# Altium PCB XMOS_TSBOARD.PcbDoc (part 2 of 3) (continued)
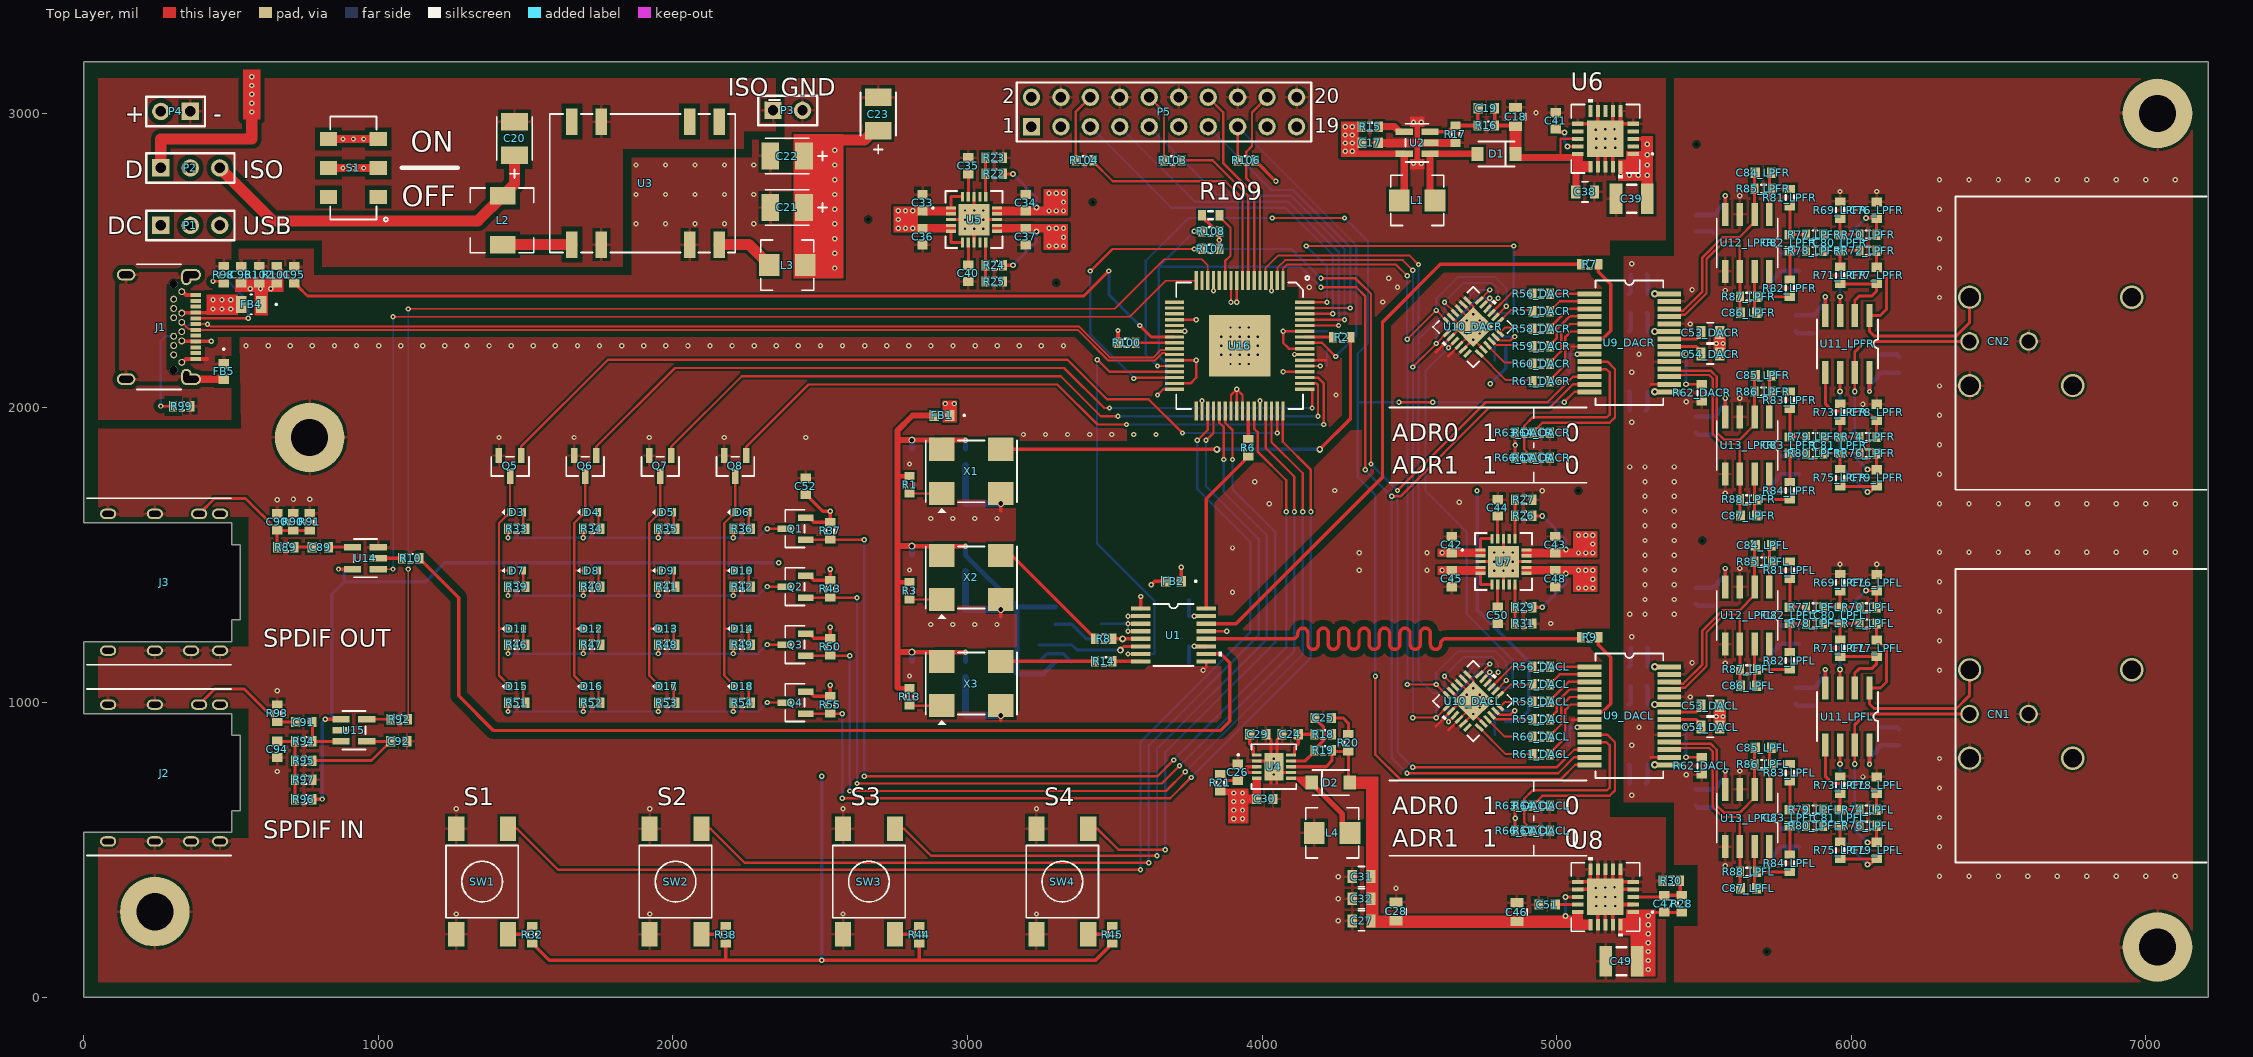
[diagram p0: Top Layer view]
## Nets (pads, with @x,y where several pads share a name; then routed paths per layer and width w, separated by ;. In a path a pad name is that pad's centre, name@x,y a point inside that pad or via, vN(x,y) a via of type N, cw(c..) or ccw(c..) an arc to the next point about the centre after c; other vN are vias at no path point) (continued)
  Top Layer w8: v1(3800,1110) 3810.46,1120.46 U1.9@3810.46,1139.7 ; U1.13@3810.46,1242.06 v1(3880,1242.06) ; U16.54@4145.3,2162.16 4217.16,2162.16 ; 4590.28,919.72 U10_DACL.20@4641.46,970.9 4675.56,1005 v1(4717.33,1005) ; 4590.28,2189.72 U10_DACR.20@4641.46,2240.9 4675.56,2275 v1(4717.33,2275) ; 4631.25,905 U10_DACL.22@4669.31,943.06 U10_DACL.25@4717.33,991.08 ; 4631.25,2175 U10_DACR.22@4669.31,2213.06 U10_DACR.25@4717.33,2261.08 ; U10_DACL.17@4641.47,1039.1 U10_DACL.25@4674.53,1006.04 ; U10_DACR.17@4641.47,2309.1 U10_DACR.25@4674.53,2276.04 ; U10_DACL.15@4669.31,1066.94 U10_DACL.25@4717.33,1018.92 ; U10_DACR.15@4669.31,2336.94 U10_DACR.25@4717.33,2288.92 ; U10_DACL.23@4683.23,929.13 U10_DACL.25@4716.29,962.2 ; U10_DACL.14@4683.22,1080.86 4717.33,1046.76 U10_DACL.25@4717.33,1018.92 ; U10_DACR.23@4683.23,2199.13 U10_DACR.25@4716.29,2232.2 ; U10_DACR.14@4683.23,2350.86 4717.33,2316.76 U10_DACR.25@4717.33,2288.92 ; U10_DACL.13@4697.14,1094.78 4717.33,1074.6 v1(4717.33,1048.84) ; U10_DACR.13@4697.14,2364.78 4717.33,2344.6 v1(4717.33,2318.84) ; U10_DACL.2@4751.43,929.14 4717.33,963.24 U10_DACL.25@4717.33,991.08 ; U10_DACR.2@4751.43,2199.14 4717.33,2233.24 U10_DACR.25@4717.33,2261.08 ; 5052.29,942.2 U9_DACL.8@5112.32,942.2 ; 5052.29,2208.54 U9_DACR.8@5112.32,2208.54 ; U10_DACL.25@4717.33,991.08 v1(4717.33,1005) ; v1(4717.33,1005) U10_DACL.25@4717.33,1018.92 ; U10_DACR.25@4717.33,2261.08 v1(4717.33,2275) ; v1(4717.33,2275) U10_DACR.25@4717.33,2288.92
  Top Layer w11: U5.3@2944.75,2639.56 v1(3022.51,2639.56) ; U5.8@3022.51,2561.8 v1(3022.51,2639.56) ; U5.18@3022.51,2717.31 v1(3022.51,2639.56) ; U5.13@3100.27,2639.56 v1(3022.51,2639.56) ; U4.2@3982.13,802.01 U4.11@4020.51,802.01 ; C29.2@4013.27,890.67 4030.44,873.49 U4.11@4030.44,792.08 ; U4.11@4050.97,792.08 4050.97,873.49 C24.2@4068.15,890.67 ; U4.11@4059.88,762.64 U4.7@4098.27,762.64 ; U7.3@4742.08,1478.56 v1(4819.83,1478.56) ; U7.8@4819.83,1400.8 v1(4819.83,1478.56) ; U7.18@4819.83,1556.31 v1(4819.83,1478.56) ; U7.13@4897.59,1478.56 v1(4819.83,1478.56)
  Top Layer w12: 3113.35,940 v5(3113.35,956) ; 3113.35,1291.65 v5(3113.35,1316) ; 3113.35,1651.65 v5(3113.35,1676) ; R100.1@3511.08,2221.22 v1(3511.08,2263.07) ; U1.1@3588.46,1318.83 v1(3588.46,1360) ; U8.12@5071.36,365.59 U8.21@5140.26,365.59 ; U8.11@5071.36,391.18 U8.21@5114.67,391.18 ; U6.11@5071.36,2964.96 5114.67,2964.96 U6.21@5140.26,2939.37 ; U8.10@5114.67,434.49 U8.21@5114.67,391.18 ; U8.17@5140.26,245.51 5140.26,314.41 v1(5165.85,340) ; U8.9@5140.26,434.49 U8.21@5140.26,365.59 ; U6.17@5140.26,2819.29 5140.26,2888.19 v1(5165.85,2913.78) ; U6.9@5140.26,3008.27 U6.21@5140.26,2939.37 ; U8.18@5165.85,245.51 v1(5165.85,340) ; U8.8@5165.85,434.49 v1(5165.85,340) ; U6.18@5165.85,2819.29 v1(5165.85,2913.78) ; U8.19@5191.44,245.51 U8.21@5191.44,314.41 ; U8.7@5191.44,434.49 U8.21@5191.44,365.59 ; U6.19@5191.44,2819.29 5191.44,2888.19 v1(5165.85,2913.78) ; U6.7@5191.44,3008.27 U6.21@5191.44,2939.37 ; U8.6@5217.03,434.49 U8.21@5217.03,391.18 ; U6.6@5217.03,3008.27 U6.21@5217.03,2964.96 ; U8.2@5260.34,314.41 U8.21@5191.44,314.41 ; U8.4@5260.34,365.59 U8.21@5191.44,365.59 ; U8.5@5260.34,391.18 U8.21@5217.03,391.18 ; U6.5@5260.34,2964.96 U6.21@5217.03,2964.96 ; U8.21@5114.67,391.18 U8.21@5140.26,365.59 ; U8.21@5140.26,365.59 v1(5165.85,340) ; U6.21@5140.26,2939.37 v1(5165.85,2913.78) ; v1(5165.85,340) U8.21@5191.44,365.59 ; v1(5165.85,340) U8.21@5191.44,314.41 ; v1(5165.85,2913.78) U6.21@5191.44,2939.37 ; U8.21@5191.44,365.59 U8.21@5217.03,391.18 ; U6.21@5191.44,2939.37 U6.21@5217.03,2964.96
  Bottom Layer w12: C7.1@3243.66,1139.76 3270.19,1166.3 3325.15,1166.3 R12.1@3353.66,1137.8
  Bottom Layer w24: C10.1@2993.35,1084.58 2993.35,956 v5(3113.35,956) ; C6.1@2993.35,1444.58 2993.35,1316 v5(3113.35,1316) ; C3.1@2993.35,1804.58 2993.35,1676 v5(3113.35,1676)
  other v1: 4259,259 1264.32,282 1920.99,282 2577.66,282 3234.32,282 5135.26,309.41 5165.85,309.41 5198.84,309.41 4259,334 5135.26,340 5198.84,340 4455,370 5132.86,370.59 5165.85,371.97 5196.44,372.99 4259,409 1264.32,640 1920.99,640 2577.66,640 3234.32,640 4040.2,755.65 656.73,765.91 4040.2,782.32 4040.2,809 5010,820 4717.33,961.16 4695.41,983.08 4739.25,983.08 4673.49,1005 4761.17,1005 4695.41,1026.92 4739.25,1026.92 656.73,1040.5 2803.35,1090 2875,1265 2950,1265 3025,1265 3100,1265 4980,1268.44 3900,1375 4788.83,1447.56 4819.83,1447.56 4850.83,1447.56 4330,1449 4560,1449 2803.35,1450 4788.83,1478.56 4850.83,1478.56 4330,1509 4560,1509 4788.83,1509.56 4819.83,1509.56 4850.83,1509.56 3900,1525 2875,1625 2950,1625 3025,1625 3100,1625 4025,1675 4670,1680 656.73,1688.22 711.73,1690.18 766.73,1690.18 4951.32,1718.79 4246.67,1720 3975,1750 2803.35,1810 1409.6,1900 1664.56,1900 1919.52,1900 2174.48,1900 2451.42,1900 3190,1910 3265,1910 3340,1910 3415,1910 3490,1910 3565,1910 3640,1910 4251.13,2044.33 5010,2090 3893.05,2149.38 3924.05,2149.38 3955.05,2149.38 3862.05,2180.38 3893.05,2180.38 3924.05,2180.38 3955.05,2180.38 3986.05,2180.38 551,2211.38 626,2211.38 701,2211.38 776,2211.38 851,2211.38 926,2211.38 1001,2211.38 1076,2211.38 1151,2211.38 1226,2211.38 1301,2211.38 1376,2211.38 1451,2211.38 1526,2211.38 1601,2211.38 1676,2211.38 1751,2211.38 1826,2211.38 1901,2211.38 1976,2211.38 2051,2211.38 2126,2211.38 2201,2211.38 2276,2211.38 2351,2211.38 2426,2211.38 2501,2211.38 2576,2211.38 2651,2211.38 2726,2211.38 2801,2211.38 2876,2211.38 2951,2211.38 3026,2211.38 3101,2211.38 3176,2211.38 3251,2211.38 3326,2211.38 3862.05,2211.38 3893.05,2211.38 3924.05,2211.38 3955.05,2211.38 3986.05,2211.38 4717.33,2231.16 3862.05,2242.38 3893.05,2242.38 3924.05,2242.38 3955.05,2242.38 3986.05,2242.38 4695.41,2253.08 4739.25,2253.08 3893.05,2273.38 3924.05,2273.38 3955.05,2273.38 4673.49,2275 4761.17,2275 4695.41,2296.92 4739.25,2296.92 4410,2360 4160,2410 4460,2410 4430,2440 2991.51,2608.56 3022.51,2608.56 3053.51,2608.56 1875,2625 1975,2625 2075,2625 2175,2625 2275,2625 2991.51,2639.56 3053.51,2639.56 2991.51,2670.56 3022.51,2670.56 3053.51,2670.56 1875,2725 1975,2725 2075,2725 2175,2725 2275,2725 1875,2825 1975,2825 2075,2825 2175,2825 2275,2825 4514.32,2830 4540.32,2830 5135.26,2883.19 5165.85,2883.19 5198.84,2883.19 5135.26,2913.78 5198.84,2913.78 5132.86,2944.37 5165.85,2945.75 5196.44,2946.77 4514.32,2970 4540.32,2970 4930,3002.34
IN0_LPFL_N: C84_LPFL.1 R85_LPFL.1 U9_DACL.26 U12_LPFL.2 | length 651.5
  Top Layer w8: U9_DACL.26@5382.32,1070.16 5386.82,1065.66 5422.21,1065.66 5423.51,1064.36 5430.14,1064.36 5495,1129.23 5495,1244.8 5563.25,1313.05 5620.68,1313.05 5672.32,1364.69 U12_LPFL.2@5672.32,1392.69
  Top Layer w10: U12_LPFL.2@5672.32,1392.69 R85_LPFL.1@5672.32,1478.69 C84_LPFL.1@5672.32,1531.72
IN0_LPFL_P: C86_LPFL.2 R87_LPFL.2 U9_DACL.25 U12_LPFL.6 | length 649.8
  Top Layer w8: U9_DACL.25@5382.32,1044.57 5386.82,1049.07 5422.21,1049.07 5423.51,1050.36 5435.94,1050.36 5509,1123.43 5509,1239 5569.05,1299.05 5617.64,1299.05 5622.32,1294.36 U12_LPFL.6@5622.32,1198.69
  Top Layer w10: C86_LPFL.2@5622.32,1059.66 R87_LPFL.2@5622.32,1112.69 U12_LPFL.6@5622.32,1198.69
IN0_LPFR_N: C84_LPFR.1 R85_LPFR.1 U9_DACR.26 U12_LPFR.2 | length 651.5
  Top Layer w8: U9_DACR.26@5382.32,2336.5 5386.82,2332 5422.21,2332 5423.51,2330.7 5430.14,2330.7 5495,2395.56 5495,2511.14 5563.25,2579.39 5620.68,2579.39 5672.32,2631.03 U12_LPFR.2@5672.32,2659.03
  Top Layer w10: U12_LPFR.2@5672.32,2657.69 R85_LPFR.1@5672.32,2743.69 C84_LPFR.1@5672.32,2796.72
IN0_LPFR_P: C86_LPFR.2 R87_LPFR.2 U9_DACR.25 U12_LPFR.6 | length 647.9
  Top Layer w8: U9_DACR.25@5382.32,2310.91 5386.82,2315.41 U9_DACR.25@5422.21,2315.41 ; 5423.51,2316.7 5435.94,2316.7 5509,2389.77 5509,2505.34 5569.05,2565.39 5617.64,2565.39 5622.32,2560.7 U12_LPFR.6@5622.32,2465.03
  Top Layer w10: C86_LPFR.2@5622.32,2324.66 R87_LPFR.2@5622.32,2377.69 U12_LPFR.6@5622.32,2463.69
IN1_LPFL_N: C85_LPFL.1 R86_LPFL.1 U9_DACL.18 U13_LPFL.2 | length 688.3
  Top Layer w8: U9_DACL.18@5382.32,865.43 5386.82,860.93 5422.21,860.93 5423.51,859.64 5523.86,859.64 5544,839.5 5544,651 5569.64,625.36 5620.68,625.36 5672.32,677 U13_LPFL.2@5672.32,705
  Top Layer w10: U13_LPFL.2@5672.32,705 R86_LPFL.1@5672.32,791 C85_LPFL.1@5672.32,844.03
IN1_LPFL_P: C87_LPFL.2 R88_LPFL.2 U9_DACL.17 U13_LPFL.6 | length 686.5
  Top Layer w8: U9_DACL.17@5382.32,839.84 5386.82,844.34 5422.21,844.34 5423.51,845.64 5518.06,845.64 5530,833.7 5530,645.2 5563.85,611.36 5617.64,611.36 5622.32,606.67 U13_LPFL.6@5622.32,511
  Top Layer w10: C87_LPFL.2@5622.32,371.97 R88_LPFL.2@5622.32,425 U13_LPFL.6@5622.32,511
IN1_LPFR_N: C85_LPFR.1 R86_LPFR.1 U9_DACR.18 U13_LPFR.2 | length 688.3
  Top Layer w8: U9_DACR.18@5382.32,2131.77 5386.82,2127.27 5422.21,2127.27 5423.51,2125.98 5523.86,2125.98 5544,2105.84 5544,1917.34 5569.64,1891.69 5620.68,1891.69 5672.32,1943.34 U13_LPFR.2@5672.32,1971.34
  Top Layer w10: U13_LPFR.2@5672.32,1970 R86_LPFR.1@5672.32,2056 C85_LPFR.1@5672.32,2109.03
IN1_LPFR_P: C87_LPFR.2 R88_LPFR.2 U9_DACR.17 U13_LPFR.6 | length 684.7
  Top Layer w8: U9_DACR.17@5382.32,2106.18 5386.82,2110.68 U9_DACR.17@5422.21,2110.68 ; 5423.51,2111.98 5518.06,2111.98 5530,2100.04 5530,1911.54 5563.85,1877.69 5617.64,1877.69 5622.32,1873.01 U13_LPFR.6@5622.32,1777.34
  Top Layer w10: C87_LPFR.2@5622.32,1636.97 R88_LPFR.2@5622.32,1690 U13_LPFR.6@5622.32,1776
L_XLR_COLD: C79_LPFL.1 CN1.3 R76_LPFL.2 U11_LPFL.7 | length 909.8
  Top Layer w10: v2(6012.32,791) U11_LPFL.7@6012.32,855.5 6012.32,925 6048.48,961.16 CN1.3@6402.32,961.16 ; v2(6055,525.56) C79_LPFL.1@6086.85,525.56 R76_LPFL.2@6086.85,581.44
  Bottom Layer w10: v2(6012.32,791) 6012.32,568.24 v2(6055,525.56)
L_XLR_HOT: C77_LPFL.1 CN1.2 R72_LPFL.2 U11_LPFL.1 | length 782.7
  Top Layer w10: C77_LPFL.1@6086.85,1213.25 R72_LPFL.2@6086.85,1268.44 R72_LPFL.2@6086.85,1269.13 ; C77_LPFL.1@6088.82,1212.56 6120,1181.38 6120,1070 6099.5,1049.5 U11_LPFL.1@6062.32,1049.5 6062.32,995.5 6077.82,980 6357.33,980 6402.33,1025 CN1.2@6402.33,1111.16
LED_COL_0: Q5.1 U16.47 | length 2897.9
  Top Layer w8: Q5.1@1484.6,1838.82 1484.6,1868.82 1779.78,2164 3339.79,2164 3473.79,2030 3615,2030 v1(3730,1915) ; v1(4052,1915) U16.47@4052,1990.13
  Bottom Layer w8: v1(3730,1915) v1(4052,1915)
LED_COL_1: Q6.1 U16.49 | length 2691.2
  Top Layer w8: Q6.1@1739.56,1838.82 1739.56,1868.82 2006.74,2136 3328.2,2136 3464.2,2000 v1(3482.32,2000) ; v1(4170,2000) U16.49@4170,2063.74
  Bottom Layer w8: v1(3482.32,2000) v1(4170,2000)
LED_COL_2: Q7.1 U16.50 | length 2534.1
  Top Layer w8: Q7.1@1994.52,1838.82 1994.52,1868.82 2233.7,2108 3316.6,2108 3452.6,1972 v1(3511.08,1972) ; U16.50@4145.3,2083.42 4185,2083.42 4190,2078.42 v1(4190,1972)
  Bottom Layer w8: v1(3511.08,1972) v1(4190,1972)
LED_COL_3: Q8.1 U16.51 | length 2346.6
  Top Layer w8: Q8.1@2249.48,1838.82 2249.48,1868.82 2460.66,2080 3305,2080 3441,1944 v1(3540,1944) ; U16.51@4145.3,2103.11 4190.31,2103.11 4210,2083.42 v1(4210,1944)
  Bottom Layer w8: v1(3540,1944) v1(4210,1944)
LED_ROW_0: Q1.1 R37.2 U16.43 | length 3462.8
  Top Layer w8: Q1.1@2451.42,1553.05 R37.2@2534.2,1553.05 v1(2650,1553.05) ; v1(2650,750) 3645,750 v1(3700,805) ; U16.43@3973.26,1990.13 3973.26,1929.74 3986,1917 3986,1851 4082,1755 v1(4082,1648)
  Bottom Layer w8: v1(2650,750) v1(2650,1553.05) ; v1(3700,805) 4082,1187 v1(4082,1648)
LED_ROW_1: Q2.1 R43.2 U16.45 | length 3331.4
  Top Layer w8: Q2.1@2451.42,1356.2 R43.2@2534.2,1356.2 v1(2625,1356.2) ; v1(2625,725) 3659.6,725 v1(3719.8,785.2) ; U16.45@4012.63,1990.13 4012.63,1863.97 4110,1766.6 v1(4110,1648)
  Bottom Layer w8: v1(2625,725) v1(2625,1356.2) ; v1(3719.8,785.2) 4110,1175.4 v1(4110,1648)
LED_ROW_2: Q3.1 R50.2 U16.46 | length 3208.1
  Top Layer w8: Q3.1@2451.42,1159.35 R50.2@2534.2,1159.35 v1(2600,1159.35) ; v1(2600,700) 3674.2,700 v1(3739.6,765.4) ; U16.46@4032.32,1990.13 4032.32,1883.88 4138,1778.2 v1(4138,1648)
  Bottom Layer w8: v1(2600,700) v1(2600,1159.35) ; v1(3739.6,765.4) 4138,1163.8 v1(4138,1648)
LED_ROW_3: Q4.1 R55.2 U16.48 | length 3077.8
  Top Layer w8: Q4.1@2451.42,962.5 R55.2@2534.2,962.51 v1(2574.99,962.51) ; v1(2574.99,675.01) 3688.8,675.01 v1(3759.4,745.6) ; U16.48@4071.69,1990.13 4070.4,1988.84 4070.4,1885.4 4166,1789.79 v1(4166,1648)
  Bottom Layer w8: v1(2574.99,675.01) v1(2574.99,962.51) ; v1(3759.4,745.6) 4166,1152.21 v1(4166,1648)
NetC1_2: C1.2 C2.2 C3.2 C4.2 C5.2 C6.2 C8.2 C9.2 C10.2 FB1.2 R1.2 R3.2 R4.1 R5.2 R13.2 X1.4 X2.4 X3.4 | length 2718.1
  Top Layer w16: 2762,1048.76 R13.2@2803.35,1048.76 ; 2771.35,1408.76 R3.2@2803.35,1408.76 ; 2771.35,1768.76 R1.2@2803.35,1768.76 ; X3.4@2913.35,1139.7 X3.4@2913.35,1171 ; X2.4@2913.35,1499.7 X2.4@2913.35,1531
  Top Layer w16.1: v5(2811.35,1171) X3.4@2885.05,1171 ; v5(2811.35,1531) X2.4@2885.05,1531 ; v5(2811.35,1891) X1.4@2885.05,1891 ; X3.4@2913.35,1171 v1(2993.35,1171) ; X2.4@2913.35,1531 v1(2993.35,1531) ; X1.4@2913.35,1891 v1(2993.35,1891)
  Top Layer w20: 2762,1050.8 2762,1923 2813.7,1974.7 FB1.2@2886.85,1974.7 ; 2766,1171 v5(2811.35,1171) ; 2766,1531 v5(2811.35,1531) ; 2766,1891 v5(2811.35,1891)
  Bottom Layer w16: C10.2@2993.35,1139.7 v1(2993.35,1171) ; v1(2993.35,1531) C6.2@2993.35,1499.7 3168.31,1324.74 ; C3.2@2993.35,1859.7 v1(2993.35,1891) ; R5.2@3298.66,1137.8 3257.86,1097 3168.31,1097 3168.31,1324.74 ; R4.1@3298.66,1324.74 3168.31,1324.74
  Bottom Layer w20: C9.2@2811.35,1141.7 v5(2811.35,1171) ; C5.2@2811.35,1501.7 v5(2811.35,1531) ; C2.2@2811.35,1861.7 v5(2811.35,1891)
NetC7_2: C7.2 R5.1 R12.2 U1.6 | length 356
  Top Layer w10: v7(3519,1178) 3531.88,1190.88 U1.6@3588.46,1190.88
  Bottom Layer w10: C7.2@3243.66,1194.88 R12.2@3351.69,1194.88 ; R12.2@3353.66,1196.85 3372.51,1178 v7(3519,1178)
NetC11_2: C11.2 C12.2 C13.2 C14.2 C15.2 C16.2 FB2.2 U1.2 U1.3 U1.4 U1.11 U1.15 | length 516.8
  Top Layer w8: v1(3545,1242.06) U1.4@3588.46,1242.06 ; v1(3545,1267.65) U1.3@3588.46,1267.65 ; v1(3545,1293.24) U1.2@3588.46,1293.24
  Top Layer w12: v1(3624.1,1400) 3635.94,1411.84 FB2.2@3672.96,1411.84
  Top Layer w14: v1(3770,1190.88) U1.11@3810.46,1190.88 ; v1(3770,1293.24) U1.15@3810.46,1293.24
  Bottom Layer w8: C11.2@3454.46,1267.65 C12.2@3509.46,1267.65 v1(3545,1267.65) ; v1(3545,1242.06) v1(3545,1267.65) ; v1(3545,1293.24) v1(3545,1267.65)
  Bottom Layer w14: C15.2@3752.02,1135.88 C16.2@3752.02,1190.88 ; C14.2@3752.02,1293.24 C13.2@3752.02,1348.24
NetC19_1: C19.1 R16.1 R17.2 U2.3 | length 229.8
  Top Layer w12: U2.3@4570.85,2937.4 4631.26,2937.4 4652.91,2959.06 R17.2@4656.85,2959.06 R16.1@4731.85,2959.06 4732.83,2960.04 4732.83,3017.13 C19.1@4733.82,3018.11
NetC20_1: C20.1 L2.2 P2.3 | length 1225
  Top Layer w38: P2.3@461.61,2815 641.61,2635 1337.42,2635 L2.2@1422.36,2719.94 1462.36,2759.94 C20.1@1462.36,2857.91
NetC24_1: C24.1 R18.1 U4.10 | length 130.9
  Top Layer w11: U4.10@4110,822.2 4110,846.65 4123.27,859.92 C24.1@4123.27,892.64 R18.1@4178.27,892.64
NetC25_1: C25.1 R20.1 | length 102.5
  Top Layer w11: C25.1@4235.35,947.64 4275.63,947.64 4293.27,930 R20.1@4293.27,892.76
NetC25_2: C25.2 R18.2 R19.1 U4.9 | length 248.6
  Top Layer w11: U4.9@4098.27,802.01 4146.57,802.01 R19.1@4178.27,833.7 ; R19.1@4178.27,841.57 4209,872.31 4209,891 ; C25.2@4180.24,945.67 4209,916.91 4209,891 ; R18.2@4235.69,891 4209,891
NetC26_2: C26.2 R21.2 U4.3 U4.4 | length 192.7
  Top Layer w11: R21.2@3862.2,757.17 3884.05,735.32 3884.05,735.08 C26.2@3918.27,735.08 ; C26.2@3920.24,735.08 3947.8,762.64 ; U4.4@3982.13,762.64 3947.8,762.64 ; U4.3@3982.13,782.32 3947.8,782.32 3947.8,762.64
NetC29_1: C29.1 U4.1 | length 75.5
  Top Layer w11: C29.1@3958.15,892.64 3958.15,859.92 3970.39,847.68 U4.1@3970.39,822.2
NetC35_2: C35.2 U5.19 | length 77.2
  Top Layer w10: U5.19@3002.82,2717.31 C35.2@3002.82,2794.56
NetC40_2: C40.2 U5.7 | length 77.2
  Top Layer w10: C40.2@3002.82,2484.56 U5.7@3002.82,2561.8
NetC41_2: C41.2 U6.14 | length 119.9
  Top Layer w10: C41.2@4997.49,2947.22 5008.24,2936.47 5025.85,2936.47 v2(5027.32,2935) ; v2(5037.32,2888.19) U6.14@5071.36,2888.19
  Bottom Layer w10: v2(5027.32,2935) 5027.32,2900.89 5037.32,2890.89 v2(5037.32,2888.19)
NetC44_2: C44.2 U7.19 | length 77.2
  Top Layer w10: U7.19@4800.14,1556.31 C44.2@4800.15,1633.56
NetC47_2: C47.2 R28.2 R30.1 U8.3 | length 208.3
  Top Layer w11: U8.3@5260.34,340 C47.2@5365,340 ; C47.2@5365,345.91 R28.2@5425,345.91 ; R28.2@5419.53,351.38 R30.1@5419.53,395
NetC50_2: C50.2 U7.7 | length 77.2
  Top Layer w10: C50.2@4800.14,1323.56 U7.7@4800.14,1400.8
NetC51_2: C51.2 U8.14 | length 76
  Top Layer w11: C51.2@4995.34,314.41 U8.14@5071.36,314.41
NetC53_DACL_2: C53_DACL.2 U9_DACL.22 | length 114.1
  Top Layer w10: U9_DACL.22@5382.32,967.8 5474.96,967.8 C53_DACL.2@5490.1,982.94
NetC53_DACR_2: C53_DACR.2 U9_DACR.22 | length 114.1
  Top Layer w10: U9_DACR.22@5382.32,2234.13 5474.96,2234.13 C53_DACR.2@5490.1,2249.28
NetC54_DACL_2: C54_DACL.2 U9_DACL.21 | length 124.5
  Top Layer w10: U9_DACL.21@5382.32,942.2 5474.96,942.2 5480.81,936.35 5480.81,925.9 C54_DACL.2@5490.1,916.61
NetC54_DACR_2: C54_DACR.2 U9_DACR.21 | length 124.5
  Top Layer w10: U9_DACR.21@5382.32,2208.54 5474.96,2208.54 5480.81,2202.69 5480.81,2192.24 C54_DACR.2@5490.1,2182.95
NetC55_DACL_2: C55_DACL.2 FB3_DACL.2 U10_DACL.5 | length 224
  Top Layer w8: U10_DACL.5@4793.19,970.9 4795.33,970.9 4807.22,959 4844.05,959 v1(4857.52,972.48)
  Bottom Layer w8: C55_DACL.2@4789.85,891.03 FB3_DACL.2@4789.85,972.48 v1(4857.52,972.48)
NetC55_DACR_2: C55_DACR.2 FB3_DACR.2 U10_DACR.5 | length 224
  Top Layer w8: U10_DACR.5@4793.19,2240.9 4795.33,2240.9 4807.22,2229 4844.05,2229 v1(4857.52,2242.48)
  Bottom Layer w8: C55_DACR.2@4789.85,2161.03 FB3_DACR.2@4789.85,2242.48 v1(4857.52,2242.48)
NetC76_LPFL_1: C76_LPFL.1 R70_LPFL.2 U11_LPFL.3 | length 458
  Top Layer w10: U11_LPFL.3@5962.32,1049.5 v2(5962.32,1112.69) ; v2(6050,1380) C76_LPFL.1@6086.02,1380 ; R70_LPFL.2@6086.85,1324.25 C76_LPFL.1@6086.85,1379.44
  Bottom Layer w10: v2(5962.32,1112.69) 5962.32,1292.32 v2(6050,1380)
NetC76_LPFR_1: C76_LPFR.1 R70_LPFR.2 U11_LPFR.3 | length 458
  Top Layer w10: U11_LPFR.3@5962.32,2314.5 v2(5962.32,2377.69) ; v2(6050,2645) C76_LPFR.1@6086.02,2645 ; R70_LPFR.2@6086.85,2589.25 C76_LPFR.1@6086.85,2644.44
  Bottom Layer w10: v2(5962.32,2377.69) 5962.32,2557.32 v2(6050,2645)
NetC77_LPFL_2: C77_LPFL.2 R71_LPFL.2 U11_LPFL.2 | length 286.4
  Top Layer w10: R71_LPFL.2@5962.32,1156.17 C77_LPFL.2@6084.88,1156.17 ; U11_LPFL.2@6012.32,1049.5 6012.32,1100 6027.32,1115 6070,1115 6086.85,1131.85 C77_LPFL.2@6086.85,1157.44
NetC77_LPFR_2: C77_LPFR.2 R71_LPFR.2 U11_LPFR.2 | length 286.4
  Top Layer w10: R71_LPFR.2@5962.32,2421.17 C77_LPFR.2@6084.88,2421.17 ; U11_LPFR.2@6012.32,2314.5 6012.32,2365 6027.32,2380 6070,2380 6086.85,2396.85 C77_LPFR.2@6086.85,2422.44
NetC78_LPFL_1: C78_LPFL.1 R74_LPFL.2 U11_LPFL.5 | length 358
  Top Layer w10: U11_LPFL.5@5912.32,855.5 5912.32,749.62 5936.94,725 6052.32,725 C78_LPFL.1@6084.88,692.44 ; R74_LPFL.2@6086.85,636.56 C78_LPFL.1@6086.85,692.44
NetC78_LPFR_1: C78_LPFR.1 R74_LPFR.2 U11_LPFR.5 | length 358
  Top Layer w10: U11_LPFR.5@5912.32,2120.5 5912.32,2014.62 5936.94,1990 6052.32,1990 C78_LPFR.1@6084.88,1957.44 ; R74_LPFR.2@6086.85,1901.56 C78_LPFR.1@6086.85,1957.44
NetC79_LPFL_2: C79_LPFL.2 R75_LPFL.2 U11_LPFL.6 | length 597.3
  Top Layer w10: R75_LPFL.2@5962.32,468.47 6082.91,468.47 6066.35,451.91 v2@6056.91,451.91 ; v2(5962.32,791) U11_LPFL.6@5962.32,855.5
  Bottom Layer w10: v2(5962.32,791) 5962.32,542.68 v2(6055,450)
NetC79_LPFR_2: C79_LPFR.2 R75_LPFR.2 U11_LPFR.6 | length 597.3
  Top Layer w10: R75_LPFR.2@5962.32,1733.47 6082.91,1733.47 6066.35,1716.91 v2@6056.91,1716.91 ; v2(5962.32,2056) U11_LPFR.6@5962.32,2120.5
  Bottom Layer w10: v2(5962.32,2056) 5962.32,1807.68 v2(6055,1715)
NetC80_LPFL_1: C80_LPFL.1 R71_LPFL.1 R72_LPFL.1 R78_LPFL.2 | length 175.3
  Top Layer w10: R78_LPFL.2@5906.38,1269.13 C80_LPFL.1@5962.32,1269.13 ; R71_LPFL.1@5962.32,1215.22 C80_LPFL.1@5962.32,1269.13 ; R72_LPFL.1@6027.8,1269.13 C80_LPFL.1@5962.32,1269.13
NetC80_LPFL_2: C80_LPFL.2 R69_LPFL.1 R70_LPFL.1 R77_LPFL.2 | length 175.3
  Top Layer w10: R77_LPFL.2@5906.38,1324.25 C80_LPFL.2@5962.32,1324.25 ; R69_LPFL.1@5962.32,1378.17 C80_LPFL.2@5962.32,1324.25 ; R70_LPFL.1@6027.8,1324.25 C80_LPFL.2@5962.32,1324.25
NetC80_LPFR_1: C80_LPFR.1 R71_LPFR.1 R72_LPFR.1 R78_LPFR.2 | length 175.3
  Top Layer w10: R78_LPFR.2@5906.38,2534.13 C80_LPFR.1@5962.32,2534.13 ; R71_LPFR.1@5962.32,2480.22 C80_LPFR.1@5962.32,2534.13 ; R72_LPFR.1@6027.8,2534.13 C80_LPFR.1@5962.32,2534.13
NetC80_LPFR_2: C80_LPFR.2 R69_LPFR.1 R70_LPFR.1 R77_LPFR.2 | length 175.3
  Top Layer w10: R77_LPFR.2@5906.38,2589.25 C80_LPFR.2@5962.32,2589.25 ; R69_LPFR.1@5962.32,2643.17 C80_LPFR.2@5962.32,2589.25 ; R70_LPFR.1@6027.8,2589.25 C80_LPFR.2@5962.32,2589.25
NetC81_LPFL_1: C81_LPFL.1 R75_LPFL.1 R76_LPFL.1 R80_LPFL.2 | length 175.3
  Top Layer w10: R80_LPFL.2@5906.38,581.44 C81_LPFL.1@5962.32,581.44 ; R75_LPFL.1@5962.32,527.53 C81_LPFL.1@5962.32,581.44 ; R76_LPFL.1@6027.8,581.44 C81_LPFL.1@5962.32,581.44
NetC81_LPFL_2: C81_LPFL.2 R73_LPFL.1 R74_LPFL.1 R79_LPFL.2 | length 175.3
  Top Layer w10: R79_LPFL.2@5906.38,636.56 C81_LPFL.2@5962.32,636.56 ; R73_LPFL.1@5962.32,690.47 C81_LPFL.2@5962.32,636.56 ; R74_LPFL.1@6027.8,636.56 C81_LPFL.2@5962.32,636.56
NetC81_LPFR_1: C81_LPFR.1 R75_LPFR.1 R76_LPFR.1 R80_LPFR.2 | length 175.3
  Top Layer w10: R80_LPFR.2@5906.38,1846.44 C81_LPFR.1@5962.32,1846.44 ; R75_LPFR.1@5962.32,1792.53 C81_LPFR.1@5962.32,1846.44 ; R76_LPFR.1@6027.8,1846.44 C81_LPFR.1@5962.32,1846.44
NetC81_LPFR_2: C81_LPFR.2 R73_LPFR.1 R74_LPFR.1 R79_LPFR.2 | length 175.3
  Top Layer w10: R79_LPFR.2@5906.38,1901.56 C81_LPFR.2@5962.32,1901.56 ; R73_LPFR.1@5962.32,1955.47 C81_LPFR.2@5962.32,1901.56 ; R74_LPFR.1@6027.8,1901.56 C81_LPFR.2@5962.32,1901.56
NetC82_LPFL_1: C82_LPFL.1 R78_LPFL.1 R82_LPFL.2 | length 152.4
  Top Layer w10: R82_LPFL.2@5792.32,1171.75 5792.32,1269.13 R78_LPFL.1@5847.32,1269.13
NetC82_LPFL_2: C82_LPFL.2 R77_LPFL.1 R81_LPFL.2 | length 150.4
  Top Layer w10: R81_LPFL.2@5792.32,1419.64 5792.32,1324.25 R77_LPFL.1@5847.32,1324.25
NetC82_LPFR_1: C82_LPFR.1 R78_LPFR.1 R82_LPFR.2 | length 152.4
  Top Layer w10: R82_LPFR.2@5792.32,2436.75 5792.32,2534.13 R78_LPFR.1@5847.32,2534.13
NetC82_LPFR_2: C82_LPFR.2 R77_LPFR.1 R81_LPFR.2 | length 150.4
  Top Layer w10: R81_LPFR.2@5792.32,2684.64 5792.32,2589.25 R77_LPFR.1@5847.32,2589.25
NetC83_LPFL_1: C83_LPFL.1 R80_LPFL.1 R84_LPFL.2 | length 152.4
  Top Layer w10: R84_LPFL.2@5792.32,484.06 C83_LPFL.1@5792.32,581.44 R80_LPFL.1@5847.32,581.44
NetC83_LPFL_2: C83_LPFL.2 R79_LPFL.1 R83_LPFL.2 | length 150.4
  Top Layer w10: R83_LPFL.2@5792.32,731.95 C83_LPFL.2@5792.32,636.56 R79_LPFL.1@5847.32,636.56
NetC83_LPFR_1: C83_LPFR.1 R80_LPFR.1 R84_LPFR.2 | length 152.4
  Top Layer w10: R84_LPFR.2@5792.32,1749.06 C83_LPFR.1@5792.32,1846.44 R80_LPFR.1@5847.32,1846.44
NetC83_LPFR_2: C83_LPFR.2 R79_LPFR.1 R83_LPFR.2 | length 150.4
  Top Layer w10: R83_LPFR.2@5792.32,1996.94 C83_LPFR.2@5792.32,1901.56 R79_LPFR.1@5847.32,1901.56
NetC84_LPFL_2: C84_LPFL.2 R81_LPFL.1 R85_LPFL.2 U12_LPFL.1 | length 194.9
  Top Layer w10: U12_LPFL.1@5722.32,1392.69 C84_LPFL.2@5722.32,1526.61 ; R85_LPFL.2@5731.38,1478.69 R81_LPFL.1@5792.32,1478.69
NetC84_LPFR_2: C84_LPFR.2 R81_LPFR.1 R85_LPFR.2 U12_LPFR.1 | length 194.9
  Top Layer w10: U12_LPFR.1@5722.32,2657.69 C84_LPFR.2@5722.32,2791.61 ; R85_LPFR.2@5731.38,2743.69 R81_LPFR.1@5792.32,2743.69
NetC85_LPFL_2: C85_LPFL.2 R83_LPFL.1 R86_LPFL.2 U13_LPFL.1 | length 194.9
  Top Layer w10: U13_LPFL.1@5722.32,705 C85_LPFL.2@5722.32,838.91 ; R86_LPFL.2@5731.38,791 R83_LPFL.1@5792.32,791
NetC85_LPFR_2: C85_LPFR.2 R83_LPFR.1 R86_LPFR.2 U13_LPFR.1 | length 194.9
  Top Layer w10: U13_LPFR.1@5722.32,1970 C85_LPFR.2@5722.32,2103.91 ; R86_LPFR.2@5731.38,2056 R83_LPFR.1@5792.32,2056
NetC86_LPFL_1: C86_LPFL.1 R82_LPFL.1 R87_LPFL.1 U12_LPFL.7 | length 244.9
  Top Layer w10: C86_LPFL.1@5672.32,1064.78 U12_LPFL.7@5672.32,1198.69 ; R87_LPFL.1@5681.38,1112.69 R82_LPFL.1@5792.32,1112.69
NetC86_LPFR_1: C86_LPFR.1 R82_LPFR.1 R87_LPFR.1 U12_LPFR.7 | length 244.9
  Top Layer w10: C86_LPFR.1@5672.32,2329.78 U12_LPFR.7@5672.32,2463.69 ; R87_LPFR.1@5681.38,2377.69 R82_LPFR.1@5792.32,2377.69
NetC87_LPFL_1: C87_LPFL.1 R84_LPFL.1 R88_LPFL.1 U13_LPFL.7 | length 244.9
  Top Layer w10: C87_LPFL.1@5672.32,377.09 U13_LPFL.7@5672.32,511 ; R88_LPFL.1@5681.38,425 R84_LPFL.1@5792.32,425
NetC87_LPFR_1: C87_LPFR.1 R84_LPFR.1 R88_LPFR.1 U13_LPFR.7 | length 244.9
  Top Layer w10: C87_LPFR.1@5672.32,1642.09 U13_LPFR.7@5672.32,1776 ; R88_LPFR.1@5681.38,1690 R84_LPFR.1@5792.32,1690
NetC89_1: C89.1 U14.4 | length 81
  Top Layer w10: C89.1@830.79,1527.88 U14.4@911.76,1527.88
NetC89_2: C89.2 R89.1 | length 59.9
  Top Layer w10: R89.1@715.79,1527.88 C89.2@775.67,1527.88
NetC91_2: C91.2 R94.2 U15.3 | length 159.5
  Top Layer w10: C91.2@776.73,931.98 R94.2@776.73,868.53 U15.3@872.74,868.53
NetC92_2: C92.2 R95.2 U15.4 | length 374
  Top Layer w10: R95.2@776.73,803.11 976.79,803.11 1029.49,855.81 1031.46,855.81 1042.2,866.56 1040.24,868.53 U15.4@960.74,868.53
NetC94_2: C94.2 R94.1 R95.1 R96.1 R97.2 | length 257.2
  Top Layer w10: C94.2@656.73,868.53 R94.1@717.68,868.53 R95.1@717.68,803.11 R96.1@717.68,672.28
NetC95_2: C95.2 R101.2 U16.23 | length 3267.6
  Top Layer w10: C95.2@715.12,2424.57 717.09,2424.57 727.83,2413.82 727.83,2411.85 759.69,2380 3395,2380 v1(3480,2465) ; v1(3585,2280) 3624.1,2240.9 U16.23@3702.8,2240.9
  Top Layer w12: R101.2@655.12,2481.65 659.06,2481.65 666.83,2473.87 666.83,2472.85 703.4,2436.28 703.4,2434.32 713.15,2424.57 C95.2@715.12,2424.57
  Bottom Layer w10: v1(3480,2465) 3480,2385 v1(3585,2280)
NetC97_2: C97.2 R105.1 U16.53 | length 111.3
  Top Layer w8: U16.53@4145.3,2142.48 v1(4197.52,2142.48)
  Bottom Layer w8: C97.2@4220.3,2142.48 4220.42,2142.6 R105.1@4220.42,2201.53
NetD1_1: D1.1 L1.1 U2.1 | length 296
  Top Layer w22: U2.1@4570.85,2862.6 D1.1@4731.85,2862.6
  Top Layer w24: L1.1@4570.85,2722.02 U2.1@4570.85,2857.02
NetD2_2: D2.2 L4.1 U4.6 | length 221.6
  Top Layer w18: D2.2@4168.77,725.19 4272.86,621.1 4272.86,584.07 L4.1@4299.29,557.64
NetD3_1: D3.1 D7.1 D11.1 D15.1 Q5.3 | length 819.7
  Top Layer w8: D15.1@1447.1,1054.65 1409.6,1092.15 1409.6,1250 ; D11.1@1447.1,1250.02 1409.62,1250.02 ; D7.1@1447.1,1448.27 1409.6,1448.27 ; Q5.3@1447.1,1768.25 D3.1@1447.1,1646.3 1409.6,1608.8 1409.6,1448.27 ; 1409.6,1250 1409.6,1448.27
NetD3_2: D3.2 R33.2 | length 49
  Top Layer w8: R33.2@1492.6,1597.33 D3.2@1492.6,1646.3
NetD4_1: D4.1 D8.1 D12.1 D16.1 Q6.3 | length 819.7
  Top Layer w8: D16.1@1702.06,1054.65 1664.56,1092.15 1664.56,1250 ; D12.1@1702.06,1250.02 1664.58,1250.02 ; D8.1@1702.06,1448.27 1664.56,1448.27 ; Q6.3@1702.06,1768.25 D4.1@1702.06,1646.3 1664.56,1608.8 1664.56,1448.27 ; 1664.56,1250 1664.56,1448.27
NetD4_2: D4.2 R34.2 | length 49
  Top Layer w8: R34.2@1747.6,1597.33 D4.2@1747.6,1646.3